# Altium PCB amp.PcbDoc (part 7 of 20)
Units mm, origin at the board's own origin, x right, y up, seen from the top; angles counter-clockwise.
Board outline 210 x 210 mm, 2 copper layers (Top Layer, Bottom Layer); 742 components, 1354 nets, 6402 pads, 5154 vias.
Unrouted connection lines stored in the file: 702.
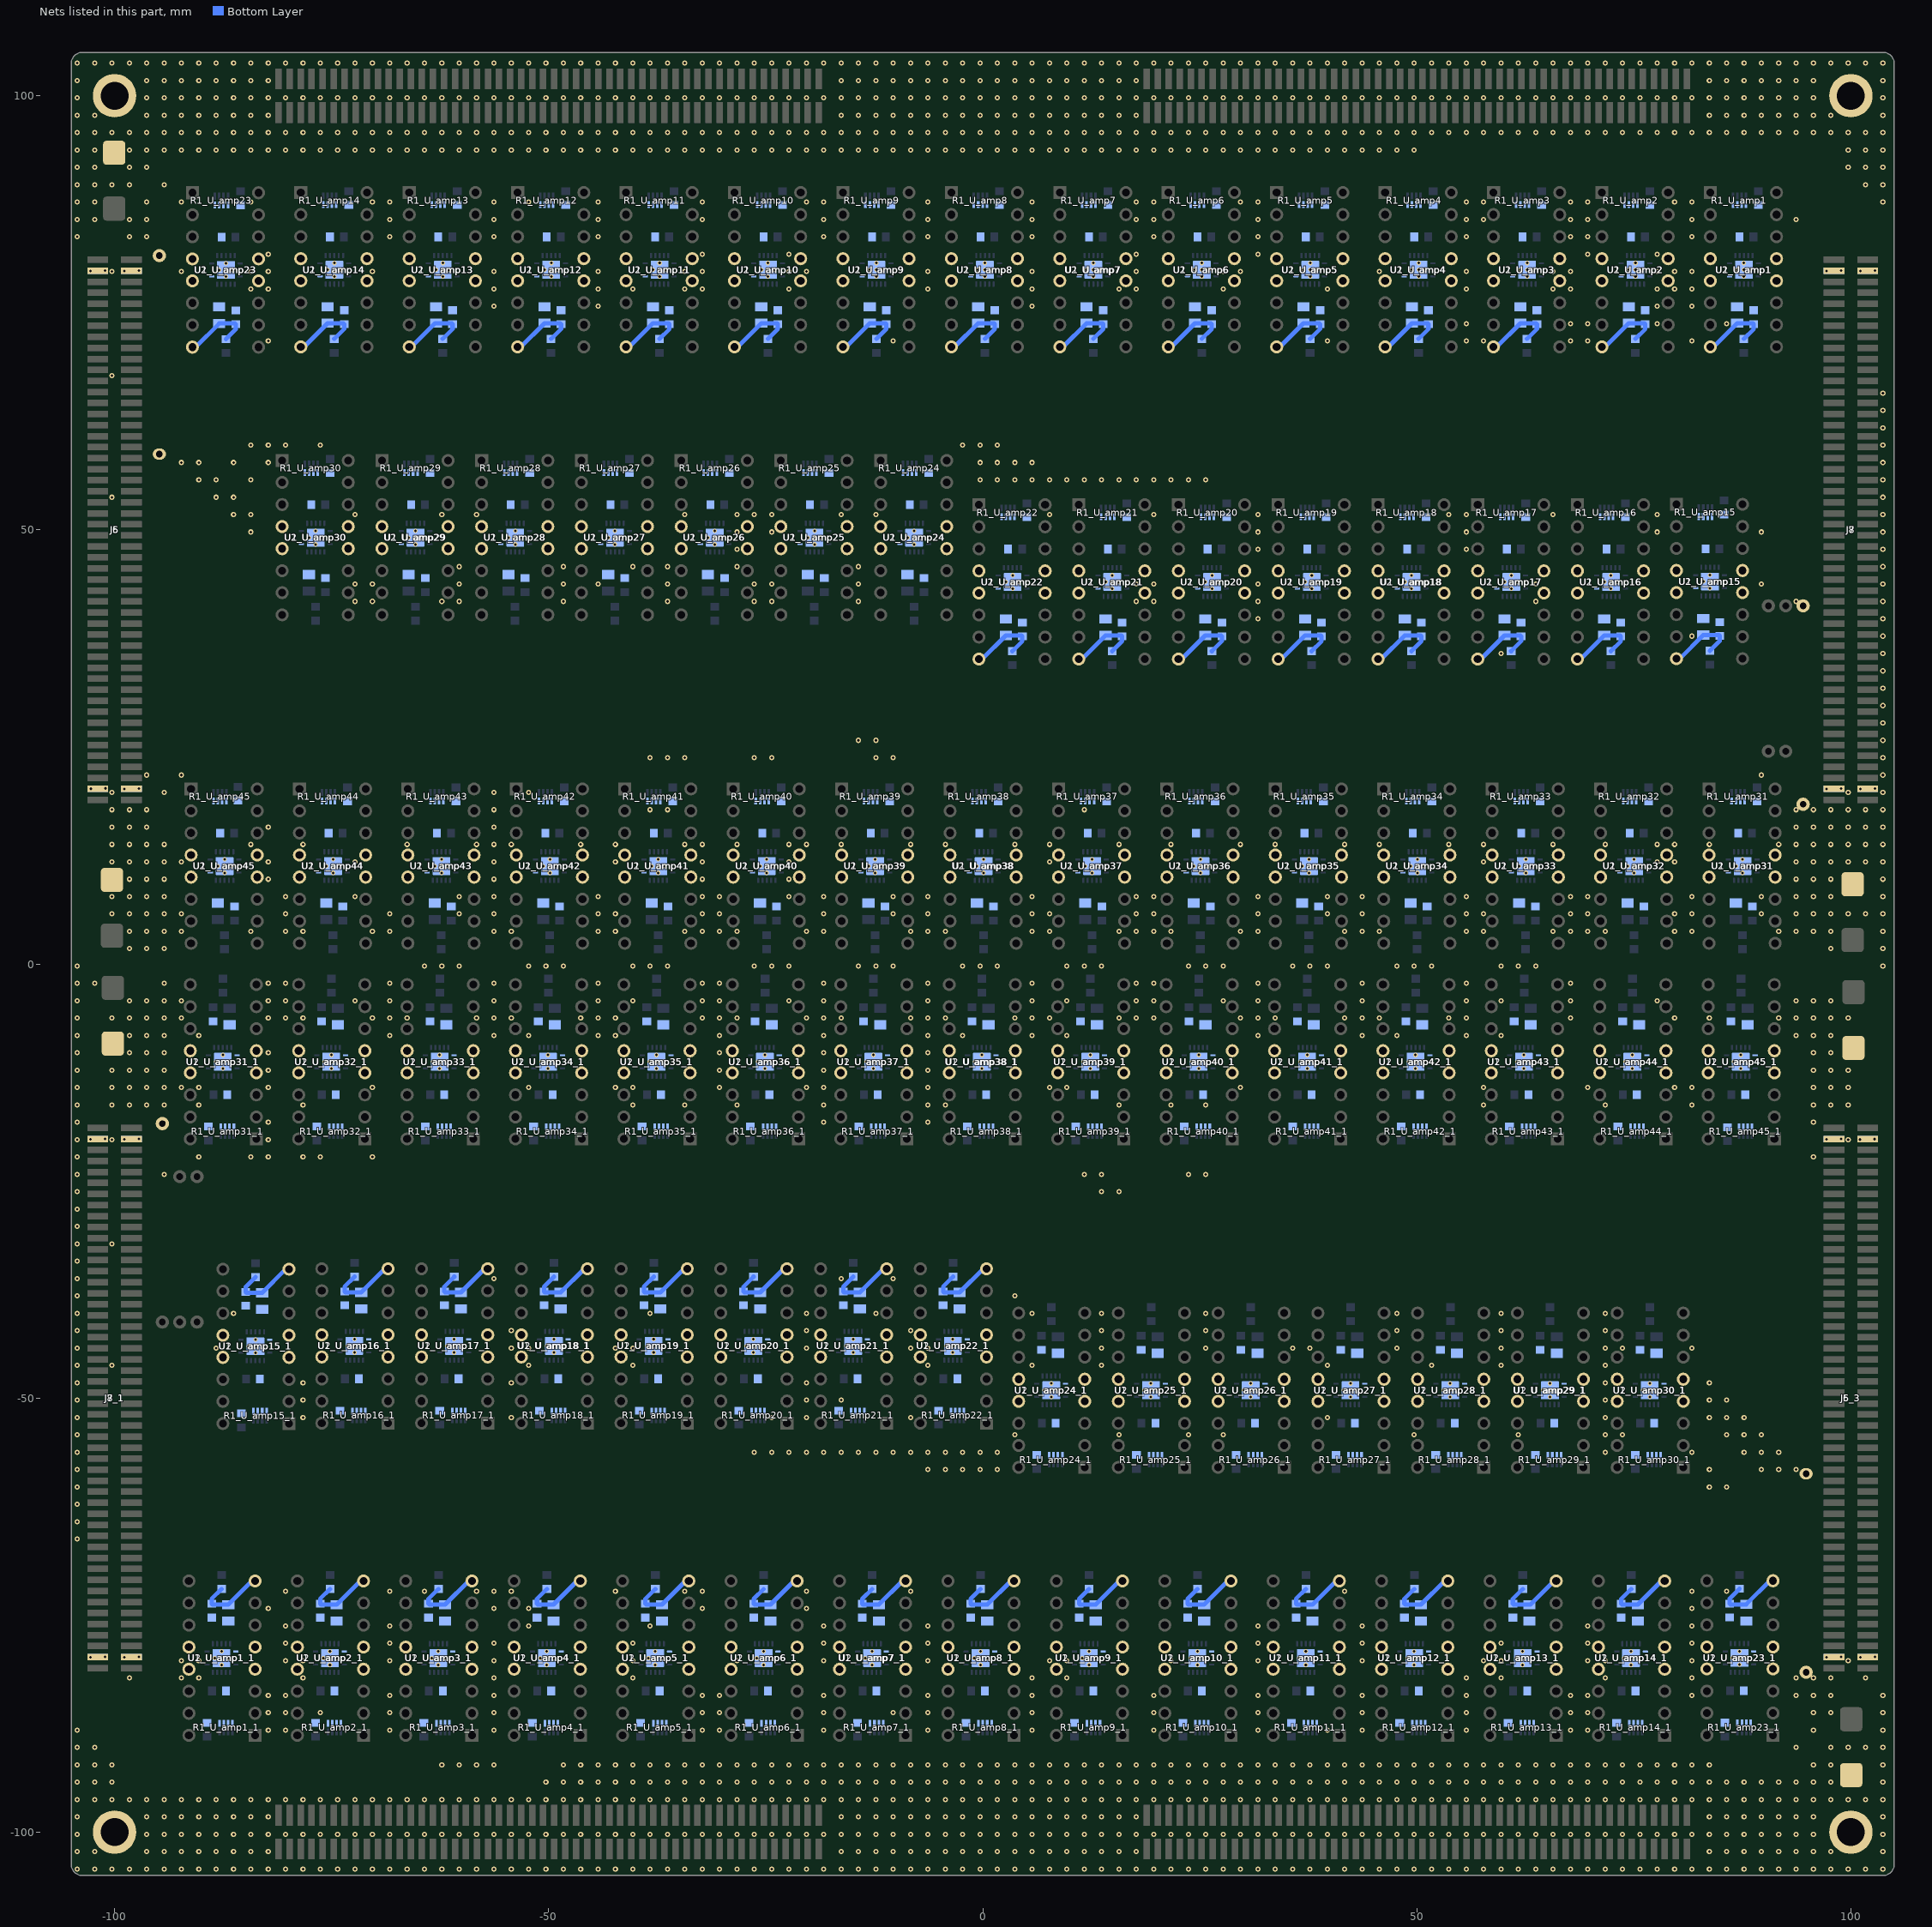
[diagram p7: the nets of this part, all layers, seen from the top]

## Via types
v1: diameter 0.6, hole 0.3, Top Layer to Bottom Layer, tented both sides, 4704 vias
v2: diameter 0.5, hole 0.3, Top Layer to Bottom Layer, 450 vias

## Nets (pads, with @x,y where several pads share a name; then routed paths per layer and width w, separated by ;. In a path a pad name is that pad's centre, name@x,y a point inside that pad or via, vN(x,y) a via of type N, cw(c..) or ccw(c..) an arc to the next point about the centre after c; other vN are vias at no path point) (continued)
GND: (continued)
  other v1: -104.306,-104.242 -102.306,-104.242 -100.306,-104.242 -98.306,-104.242 -96.306,-104.242 -94.306,-104.242 -92.306,-104.242 -90.306,-104.242 -88.306,-104.242 -86.306,-104.242 -84.306,-104.242 -82.306,-104.242 -80.306,-104.242 -78.306,-104.242 -76.306,-104.242 -74.306,-104.242 -72.306,-104.242 -70.306,-104.242 -68.306,-104.242 -66.306,-104.242 -64.306,-104.242 -62.306,-104.242 -60.306,-104.242 -58.306,-104.242 -56.306,-104.242 -54.306,-104.242 -52.306,-104.242 -50.306,-104.242 -48.306,-104.242 -46.306,-104.242 -44.306,-104.242 -42.306,-104.242 -40.306,-104.242 -38.306,-104.242 -36.306,-104.242 -34.306,-104.242 -32.306,-104.242 -30.306,-104.242 -28.306,-104.242 -26.306,-104.242 -24.306,-104.242 -22.306,-104.242 -20.306,-104.242 -18.306,-104.242 -16.306,-104.242 -14.306,-104.242 -12.306,-104.242 -10.306,-104.242 -8.306,-104.242 -6.306,-104.242 -4.306,-104.242 -2.306,-104.242 -0.306,-104.242 1.694,-104.242 3.694,-104.242 5.694,-104.242 7.694,-104.242 9.694,-104.242 11.694,-104.242 13.694,-104.242 15.694,-104.242 17.694,-104.242 19.694,-104.242 21.694,-104.242 23.694,-104.242 25.694,-104.242 27.694,-104.242 29.694,-104.242 31.694,-104.242 33.694,-104.242 35.694,-104.242 37.694,-104.242 39.694,-104.242 41.694,-104.242 43.694,-104.242 45.694,-104.242 47.694,-104.242 49.694,-104.242 51.694,-104.242 53.694,-104.242 55.694,-104.242 57.694,-104.242 59.694,-104.242 61.694,-104.242 63.694,-104.242 65.694,-104.242 67.694,-104.242 69.694,-104.242 71.694,-104.242 73.694,-104.242 75.694,-104.242 77.694,-104.242 79.694,-104.242 81.694,-104.242 83.694,-104.242 85.694,-104.242 87.694,-104.242 89.694,-104.242 91.694,-104.242 93.694,-104.242 95.694,-104.242 97.694,-104.242 99.694,-104.242 101.694,-104.242 103.694,-104.242 -104.306,-102.242 -102.306,-102.242 -96.306,-102.242 -94.306,-102.242 -92.306,-102.242 -90.306,-102.242 -88.306,-102.242 -86.306,-102.242 -84.306,-102.242 -82.306,-102.242 -16.306,-102.242 -14.306,-102.242 -12.306,-102.242 -10.306,-102.242 -8.306,-102.242 -6.306,-102.242 -4.306,-102.242 -2.306,-102.242 -0.306,-102.242 1.694,-102.242 3.694,-102.242 5.694,-102.242 7.694,-102.242 9.694,-102.242 11.694,-102.242 13.694,-102.242 15.694,-102.242 17.694,-102.242 83.694,-102.242 85.694,-102.242 87.694,-102.242 89.694,-102.242 91.694,-102.242 93.694,-102.242 95.694,-102.242 97.694,-102.242 103.694,-102.242 -104.306,-100.242 -96.306,-100.242 -94.306,-100.242 -92.306,-100.242 -90.306,-100.242 -88.306,-100.242 -86.306,-100.242 -84.306,-100.242 -82.306,-100.242 -80.306,-100.242 -78.306,-100.242 -76.306,-100.242 -74.306,-100.242 -72.306,-100.242 -70.306,-100.242 -68.306,-100.242 -66.306,-100.242 -64.306,-100.242 -62.306,-100.242 -60.306,-100.242 -58.306,-100.242 -56.306,-100.242 -54.306,-100.242 -52.306,-100.242 -50.306,-100.242 -48.306,-100.242 -46.306,-100.242 -44.306,-100.242 -42.306,-100.242 -40.306,-100.242 -38.306,-100.242 -36.306,-100.242 -34.306,-100.242 -32.306,-100.242 -30.306,-100.242 -28.306,-100.242 -26.306,-100.242 -24.306,-100.242 -22.306,-100.242 -20.306,-100.242 -18.306,-100.242 -16.306,-100.242 -14.306,-100.242 -12.306,-100.242 -10.306,-100.242 -8.306,-100.242 -6.306,-100.242 -4.306,-100.242 -2.306,-100.242 -0.306,-100.242 1.694,-100.242 3.694,-100.242 5.694,-100.242 7.694,-100.242 9.694,-100.242 11.694,-100.242 13.694,-100.242 15.694,-100.242 17.694,-100.242 19.694,-100.242 21.694,-100.242 23.694,-100.242 25.694,-100.242 27.694,-100.242 29.694,-100.242 31.694,-100.242 33.694,-100.242 35.694,-100.242 37.694,-100.242 39.694,-100.242 41.694,-100.242 43.694,-100.242 45.694,-100.242 47.694,-100.242 49.694,-100.242 51.694,-100.242 53.694,-100.242 55.694,-100.242 57.694,-100.242 59.694,-100.242 61.694,-100.242 63.694,-100.242 65.694,-100.242 67.694,-100.242 69.694,-100.242 71.694,-100.242 73.694,-100.242 75.694,-100.242 77.694,-100.242 79.694,-100.242 81.694,-100.242 83.694,-100.242 85.694,-100.242 87.694,-100.242 89.694,-100.242 91.694,-100.242 93.694,-100.242 95.694,-100.242 103.694,-100.242 -104.306,-98.242 -96.306,-98.242 -94.306,-98.242 -92.306,-98.242 -90.306,-98.242 -88.306,-98.242 -86.306,-98.242 -84.306,-98.242 -82.306,-98.242 -16.306,-98.242 -14.306,-98.242 -12.306,-98.242 -10.306,-98.242 -8.306,-98.242 -6.306,-98.242 -4.306,-98.242 -2.306,-98.242 -0.306,-98.242 1.694,-98.242 3.694,-98.242 5.694,-98.242 7.694,-98.242 9.694,-98.242 11.694,-98.242 13.694,-98.242 15.694,-98.242 17.694,-98.242 83.694,-98.242 85.694,-98.242 87.694,-98.242 89.694,-98.242 91.694,-98.242 93.694,-98.242 95.694,-98.242 103.694,-98.242 -104.306,-96.242 -102.306,-96.242 -100.306,-96.242 -98.306,-96.242 -96.306,-96.242 -94.306,-96.242 -92.306,-96.242 -90.306,-96.242 -88.306,-96.242 -86.306,-96.242 -84.306,-96.242 -82.306,-96.242 -80.306,-96.242 -78.306,-96.242 -76.306,-96.242 -74.306,-96.242 -72.306,-96.242 -70.306,-96.242 -68.306,-96.242 -66.306,-96.242 -64.306,-96.242 -62.306,-96.242 -60.306,-96.242 -58.306,-96.242 -56.306,-96.242 -54.306,-96.242 -52.306,-96.242 -50.306,-96.242 -48.306,-96.242 -46.306,-96.242 -44.306,-96.242 -42.306,-96.242 -40.306,-96.242 -38.306,-96.242 -36.306,-96.242 -34.306,-96.242 -32.306,-96.242 -30.306,-96.242 -28.306,-96.242 -26.306,-96.242 -24.306,-96.242 -22.306,-96.242 -20.306,-96.242 -18.306,-96.242 -16.306,-96.242 -14.306,-96.242 -12.306,-96.242 -10.306,-96.242 -8.306,-96.242 -6.306,-96.242 -4.306,-96.242 -2.306,-96.242 -0.306,-96.242 1.694,-96.242 3.694,-96.242 5.694,-96.242 7.694,-96.242 9.694,-96.242 11.694,-96.242 13.694,-96.242 15.694,-96.242 17.694,-96.242 19.694,-96.242 21.694,-96.242 23.694,-96.242 25.694,-96.242 27.694,-96.242 29.694,-96.242 31.694,-96.242 33.694,-96.242 35.694,-96.242 37.694,-96.242 39.694,-96.242 41.694,-96.242 43.694,-96.242 45.694,-96.242 47.694,-96.242 49.694,-96.242 51.694,-96.242 53.694,-96.242 55.694,-96.242 57.694,-96.242 59.694,-96.242 61.694,-96.242 63.694,-96.242 65.694,-96.242 67.694,-96.242 69.694,-96.242 71.694,-96.242 73.694,-96.242 75.694,-96.242 77.694,-96.242 79.694,-96.242 81.694,-96.242 83.694,-96.242 85.694,-96.242 87.694,-96.242 89.694,-96.242 91.694,-96.242 93.694,-96.242 95.694,-96.242 97.694,-96.242 99.694,-96.242 101.694,-96.242 103.694,-96.242 -104.306,-94.242 -102.306,-94.242 -100.306,-94.242 -50.306,-94.242 -48.306,-94.242 -46.306,-94.242 -44.306,-94.242 -42.306,-94.242 -40.306,-94.242 -38.306,-94.242 -36.306,-94.242 -34.306,-94.242 -32.306,-94.242 -30.306,-94.242 -28.306,-94.242 -26.306,-94.242 -24.306,-94.242 -22.306,-94.242 -20.306,-94.242 -18.306,-94.242 -16.306,-94.242 -14.306,-94.242 -12.306,-94.242 -10.306,-94.242 -8.306,-94.242 -6.306,-94.242 -4.306,-94.242 -2.306,-94.242 -0.306,-94.242 1.694,-94.242 3.694,-94.242 5.694,-94.242 7.694,-94.242 9.694,-94.242 11.694,-94.242 13.694,-94.242 15.694,-94.242 17.694,-94.242 19.694,-94.242 21.694,-94.242 23.694,-94.242 25.694,-94.242 27.694,-94.242 29.694,-94.242 31.694,-94.242 33.694,-94.242 35.694,-94.242 37.694,-94.242 39.694,-94.242 41.694,-94.242 43.694,-94.242 45.694,-94.242 47.694,-94.242 49.694,-94.242 51.694,-94.242 53.694,-94.242 55.694,-94.242 57.694,-94.242 59.694,-94.242 61.694,-94.242 63.694,-94.242 65.694,-94.242 67.694,-94.242 69.694,-94.242 71.694,-94.242 73.694,-94.242 75.694,-94.242 77.694,-94.242 79.694,-94.242 81.694,-94.242 83.694,-94.242 85.694,-94.242 87.694,-94.242 89.694,-94.242 91.694,-94.242 93.694,-94.242 95.694,-94.242 97.694,-94.242 103.694,-94.242 -104.306,-92.242 -102.306,-92.242 -100.306,-92.242 -62.306,-92.242 -60.306,-92.242 -58.306,-92.242 -56.306,-92.242 -48.306,-92.242 -46.306,-92.242 -44.306,-92.242 -42.306,-92.242 -40.306,-92.242 -38.306,-92.242 -36.306,-92.242 -34.306,-92.242 -32.306,-92.242 -30.306,-92.242 -28.306,-92.242 -26.306,-92.242 -24.306,-92.242 -22.306,-92.242 -20.306,-92.242 -18.306,-92.242 -16.306,-92.242 -14.306,-92.242 -12.306,-92.242 -10.306,-92.242 -8.306,-92.242 -6.306,-92.242 -4.306,-92.242 -2.306,-92.242 -0.306,-92.242 1.694,-92.242 3.694,-92.242 5.694,-92.242 7.694,-92.242 9.694,-92.242 11.694,-92.242 13.694,-92.242 15.694,-92.242 17.694,-92.242 19.694,-92.242 21.694,-92.242 23.694,-92.242 25.694,-92.242 27.694,-92.242 29.694,-92.242 31.694,-92.242 33.694,-92.242 35.694,-92.242 37.694,-92.242 39.694,-92.242 41.694,-92.242 43.694,-92.242 45.694,-92.242 47.694,-92.242 49.694,-92.242 51.694,-92.242 53.694,-92.242 55.694,-92.242 57.694,-92.242 59.694,-92.242 61.694,-92.242 63.694,-92.242 65.694,-92.242 67.694,-92.242 69.694,-92.242 71.694,-92.242 73.694,-92.242 75.694,-92.242 77.694,-92.242 79.694,-92.242 81.694,-92.242 83.694,-92.242 95.694,-92.242 97.694,-92.242 103.694,-92.242 -104.306,-90.242 -102.306,-90.242 93.694,-90.242 97.694,-90.242 99.694,-90.242 101.694,-90.242 103.694,-90.242 -104.306,-88.242 -82.306,-88.242 -80.306,-88.242 -68.306,-88.242 -56.306,-88.242 -32.306,-88.242 -30.306,-88.242 -18.306,-88.242 -6.306,-88.242 5.694,-88.242 19.694,-88.242 31.694,-88.242 39.694,-88.242 43.694,-88.242 55.694,-88.242 67.694,-88.242 69.694,-88.242 95.694,-88.242 103.694,-88.242 -82.306,-86.242 -80.306,-86.242 -76.306,-86.242 -68.306,-86.242 -56.306,-86.242 -32.306,-86.242 -30.306,-86.242 -18.306,-86.242 -10.306,-86.242 -6.306,-86.242 5.694,-86.242 19.694,-86.242 31.694,-86.242 43.694,-86.242 55.694,-86.242 67.694,-86.242 69.694,-86.242 95.694,-86.242 97.694,-86.242 103.694,-86.242 -82.306,-84.242 -80.306,-84.242 -68.306,-84.242 -56.306,-84.242 -32.306,-84.242 -30.306,-84.242 -18.306,-84.242 -6.306,-84.242 5.694,-84.242 19.694,-84.242 31.694,-84.242 43.694,-84.242 55.694,-84.242 67.694,-84.242 69.694,-84.242 81.694,-84.242 93.694,-84.242 95.694,-84.242 97.694,-84.242 103.694,-84.242 -98.306,-82.242 -92.306,-82.242 -90.306,-82.242 -78.306,-82.242 -56.306,-82.242 -40.306,-82.242 5.694,-82.242 9.694,-82.242 55.694,-82.242 59.694,-82.242 71.694,-82.242 81.694,-82.242 93.694,-82.242 95.694,-82.242 97.694,-82.242 101.694,-82.242 -92.306,-80.242 -90.306,-80.242 -80.306,-80.242 -78.306,-80.242 -68.306,-80.242 -56.306,-80.242 -40.306,-80.242 -28.306,-80.242 -18.306,-80.242 -6.306,-80.242 7.694,-80.242 9.694,-80.242 21.694,-80.242 31.694,-80.242 43.694,-80.242 57.694,-80.242 59.694,-80.242 69.694,-80.242 71.694,-80.242 81.694,-80.242 99.694,-80.242 -102.8,-79.87 -98.9,-79.87 97.2,-79.87 101.1,-79.87 -101.1,-79.82 -97.2,-79.82 98.9,-79.82 102.8,-79.82 -80.306,-78.242 -68.306,-78.242 -56.306,-78.242 -40.306,-78.242 -18.306,-78.242 -6.306,-78.242 31.694,-78.242 43.694,-78.242 59.694,-78.242 69.694,-78.242 81.694,-78.242 -80.306,-76.242 -68.306,-76.242 -52.306,-76.242 -38.306,-76.242 -18.306,-76.242 -6.306,-76.242 31.694,-76.242 43.694,-76.242 69.694,-76.242 81.694,-76.242 -82.306,-74.242 -56.306,-74.242 -52.306,-74.242 -32.306,-74.242 -20.306,-74.242 81.694,-74.242 -80.306,-72.242 -68.306,-72.242 -64.306,-72.242 -58.306,-72.242 -56.306,-72.242 -54.306,-72.242 -42.306,-72.242 -34.306,-72.242 -32.306,-72.242 -20.306,-72.242 -8.306,-72.242 41.694,-72.242 81.694,-72.242 85.694,-72.242 -104.306,-66.242 -104.306,-64.242 -104.306,-62.242 -104.306,-60.242 83.694,-60.242 85.694,-60.242 -104.306,-58.242 -6.306,-58.242 -4.306,-58.242 -2.306,-58.242 -0.306,-58.242 1.694,-58.242 83.694,-58.242 89.694,-58.242 91.694,-58.242 93.694,-58.242 -104.306,-56.242 -26.306,-56.242 -24.306,-56.242 -22.306,-56.242 -20.306,-56.242 -18.306,-56.242 -16.306,-56.242 -14.306,-56.242 -12.306,-56.242 -10.306,-56.242 -8.306,-56.242 -6.306,-56.242 -4.306,-56.242 -2.306,-56.242 -0.306,-56.242 1.694,-56.242 71.694,-56.242 81.694,-56.242 87.694,-56.242 89.694,-56.242 91.694,-56.242 -104.306,-54.242 3.694,-54.242 15.694,-54.242 23.694,-54.242 27.694,-54.242 49.694,-54.242 61.694,-54.242 71.694,-54.242 73.694,-54.242 85.694,-54.242 87.694,-54.242 89.694,-54.242 -104.306,-52.242 -78.306,-52.242 -54.306,-52.242 -24.306,-52.242 -20.306,-52.242 -8.306,-52.242 39.694,-52.242 71.694,-52.242 83.694,-52.242 85.694,-52.242 87.694,-52.242 -104.306,-50.242 -78.306,-50.242 -20.306,-50.242 -16.306,-50.242 71.694,-50.242 83.694,-50.242 85.694,-50.242 -104.306,-48.242 -78.306,-48.242 -54.306,-48.242 -20.306,-48.242 71.694,-48.242 83.694,-48.242 -104.306,-46.242 -100.306,-46.242 -52.306,-46.242 -40.306,-46.242 -6.306,-46.242 5.694,-46.242 13.694,-46.242 39.694,-46.242 51.694,-46.242 59.694,-46.242 71.694,-46.242 -104.306,-44.242 -88.306,-44.242 -54.306,-44.242 -52.306,-44.242 -42.306,-44.242 -40.306,-44.242 -20.306,-44.242 -8.306,-44.242 -6.306,-44.242 13.694,-44.242 25.694,-44.242 35.694,-44.242 37.694,-44.242 47.694,-44.242 59.694,-44.242 71.694,-44.242 73.694,-44.242 81.694,-44.242 -104.306,-42.242 -54.306,-42.242 -20.306,-42.242 -8.306,-42.242 13.694,-42.242 25.694,-42.242 47.694,-42.242 59.694,-42.242 71.694,-42.242 -104.306,-40.242 -86.306,-40.242 -38.306,-40.242 -20.306,-40.242 -12.306,-40.242 5.694,-40.242 13.694,-40.242 25.694,-40.242 47.694,-40.242 59.694,-40.242 71.694,-40.242 -104.306,-38.242 3.694,-38.242 -104.306,-36.242 -56.306,-36.242 -16.306,-36.242 -10.306,-36.242 -104.306,-34.242 -104.306,-32.242 -100.306,-32.242 -104.306,-30.242 -104.306,-28.242 -104.306,-26.242 13.694,-26.242 15.694,-26.242 -104.306,-24.242 -94.306,-24.242 11.694,-24.242 13.694,-24.242 23.694,-24.242 25.694,-24.242 -104.306,-22.242 -90.306,-22.242 -84.306,-22.242 -82.306,-22.242 -78.306,-22.242 -76.306,-22.242 -70.306,-22.242 95.694,-22.242 -104.306,-20.242 -100.306,-20.242 -82.306,-20.242 99.694,-20.242 101.05,-20.225 -102.8,-20.18 -98.9,-20.18 97.2,-20.18 102.75,-20.175 -101.1,-20.13 -97.2,-20.13 98.9,-20.13 -104.306,-18.242 -94.306,-18.242 -82.306,-18.242 -18.306,-18.242 -6.306,-18.242 95.694,-18.242 -104.306,-16.242 -100.306,-16.242 -98.306,-16.242 -96.306,-16.242 -94.306,-16.242 -90.306,-16.242 -78.306,-16.242 -40.306,-16.242 -34.306,-16.242 -28.306,-16.242 -18.306,-16.242 -6.306,-16.242 -4.306,-16.242 15.694,-16.242 21.694,-16.242 25.694,-16.242 57.694,-16.242 71.694,-16.242 81.694,-16.242 95.694,-16.242 97.694,-16.242 99.694,-16.242 -104.306,-14.242 -100.306,-14.242 -98.306,-14.242 -96.306,-14.242 -94.306,-14.242 -92.306,-14.242 -90.306,-14.242 -82.306,-14.242 -70.306,-14.242 -52.306,-14.242 -42.306,-14.242 -40.306,-14.242 -30.306,-14.242 -20.306,-14.242 -18.306,-14.242 -6.306,-14.242 7.694,-14.242 9.694,-14.242 29.694,-14.242 57.694,-14.242 69.694,-14.242 79.694,-14.242 81.694,-14.242 95.694,-14.242 97.694,-14.242 99.694,-14.242 -104.306,-12.242 -100.306,-12.242 -98.306,-12.242 -96.306,-12.242 -94.306,-12.242 -82.306,-12.242 -30.306,-12.242 -18.306,-12.242 -6.306,-12.242 95.694,-12.242 97.694,-12.242 99.694,-12.242 -104.306,-10.242 -98.306,-10.242 -96.306,-10.242 -94.306,-10.242 -82.306,-10.242 -30.306,-10.242 -18.306,-10.242 -6.306,-10.242 95.694,-10.242 97.694,-10.242 -104.306,-8.242 -98.306,-8.242 -96.306,-8.242 -94.306,-8.242 -90.306,-8.242 -68.306,-8.242 -56.306,-8.242 -52.306,-8.242 -44.306,-8.242 -42.306,-8.242 -30.306,-8.242 -18.306,-8.242 -6.306,-8.242 -2.306,-8.242 5.694,-8.242 9.694,-8.242 31.694,-8.242 43.694,-8.242 47.694,-8.242 55.694,-8.242 59.694,-8.242 93.694,-8.242 95.694,-8.242 97.694,-8.242 -104.306,-6.242 -100.306,-6.242 -98.306,-6.242 -96.306,-6.242 -94.306,-6.242 -92.306,-6.242 -82.306,-6.242 -80.306,-6.242 -78.306,-6.242 -70.306,-6.242 -68.306,-6.242 -66.306,-6.242 -58.306,-6.242 -56.306,-6.242 -54.306,-6.242 -46.306,-6.242 -44.306,-6.242 -42.306,-6.242 -32.306,-6.242 -30.306,-6.242 -28.306,-6.242 -20.306,-6.242 -18.306,-6.242 -16.306,-6.242 -8.306,-6.242 -6.306,-6.242 -4.306,-6.242 3.694,-6.242 5.694,-6.242 7.694,-6.242 15.694,-6.242 17.694,-6.242 19.694,-6.242 29.694,-6.242 31.694,-6.242 33.694,-6.242 41.694,-6.242 43.694,-6.242 45.694,-6.242 53.694,-6.242 55.694,-6.242 67.694,-6.242 79.694,-6.242 83.694,-6.242 91.694,-6.242 93.694,-6.242 95.694,-6.242 97.694,-6.242 99.694,-6.242 -104.306,-4.242 -98.306,-4.242 -96.306,-4.242 -94.306,-4.242 -92.306,-4.242 -82.306,-4.242 -80.306,-4.242 -72.306,-4.242 -68.306,-4.242 -56.306,-4.242 -44.306,-4.242 -40.306,-4.242 -32.306,-4.242 -30.306,-4.242 -22.306,-4.242 -18.306,-4.242 -6.306,-4.242 5.694,-4.242 9.694,-4.242 17.694,-4.242 19.694,-4.242 27.694,-4.242 31.694,-4.242 43.694,-4.242 55.694,-4.242 59.694,-4.242 67.694,-4.242 77.694,-4.242 93.694,-4.242 95.694,-4.242 97.694,-4.242 -104.306,-2.242 -102.306,-2.242 -94.306,-2.242 -82.306,-2.242 -80.306,-2.242 -68.306,-2.242 -56.306,-2.242 -44.306,-2.242 -32.306,-2.242 -30.306,-2.242 -18.306,-2.242 -6.306,-2.242 5.694,-2.242 17.694,-2.242 19.694,-2.242 31.694,-2.242 43.694,-2.242 55.694,-2.242 67.694,-2.242 -104.306,-0.242 -64.306,-0.242 -62.306,-0.242 -60.306,-0.242 -52.306,-0.242 -50.306,-0.242 -48.306,-0.242 -40.306,-0.242 -38.306,-0.242 -36.306,-0.242 -26.306,-0.242 -24.306,-0.242 -22.306,-0.242 -14.306,-0.242 -12.306,-0.242 -10.306,-0.242 -2.306,-0.242 -0.306,-0.242 1.694,-0.242 9.694,-0.242 11.694,-0.242 13.694,-0.242 23.694,-0.242 25.694,-0.242 27.694,-0.242 35.694,-0.242 37.694,-0.242 39.694,-0.242 47.694,-0.242 49.694,-0.242 51.694,-0.242 59.694,-0.242 61.694,-0.242 63.694,-0.242 103.694,-0.242 -98.306,1.758 -96.306,1.758 -94.306,1.758 97.694,1.758 103.694,1.758 -98.306,3.758 -96.306,3.758 -94.306,3.758 -92.306,3.758 -84.306,3.758 -80.306,3.758 -78.306,3.758 -70.306,3.758 -68.306,3.758 -56.306,3.758 -54.306,3.758 -44.306,3.758 -42.306,3.758 -34.306,3.758 -32.306,3.758 -30.306,3.758 -28.306,3.758 -20.306,3.758 -18.306,3.758 -8.306,3.758 -6.306,3.758 -4.306,3.758 5.694,3.758 7.694,3.758 15.694,3.758 17.694,3.758 19.694,3.758 21.694,3.758 29.694,3.758 31.694,3.758 41.694,3.758 43.694,3.758 45.694,3.758 55.694,3.758 57.694,3.758 65.694,3.758 67.694,3.758 69.694,3.758 71.694,3.758 79.694,3.758 81.694,3.758 91.694,3.758 93.694,3.758 95.694,3.758 97.694,3.758 103.694,3.758 -100.306,5.758 -98.306,5.758 -96.306,5.758 -94.306,5.758 -92.306,5.758 -80.306,5.758 -68.306,5.758 -60.306,5.758 -56.306,5.758 -44.306,5.758 -42.306,5.758 -32.306,5.758 -30.306,5.758 -18.306,5.758 -10.306,5.758 -6.306,5.758 5.694,5.758 7.694,5.758 17.694,5.758 19.694,5.758 31.694,5.758 39.694,5.758 43.694,5.758 55.694,5.758 57.694,5.758 67.694,5.758 69.694,5.758 79.694,5.758 81.694,5.758 89.694,5.758 93.694,5.758 95.694,5.758 97.694,5.758 99.694,5.758 101.694,5.758 103.694,5.758 -100.306,7.758 -98.306,7.758 -96.306,7.758 -94.306,7.758 -80.306,7.758 -72.306,7.758 -60.306,7.758 -56.306,7.758 -44.306,7.758 -32.306,7.758 -30.306,7.758 -22.306,7.758 -18.306,7.758 -10.306,7.758 -6.306,7.758 5.694,7.758 17.694,7.758 19.694,7.758 31.694,7.758 39.694,7.758 43.694,7.758 55.694,7.758 67.694,7.758 69.694,7.758 81.694,7.758 89.694,7.758 93.694,7.758 95.694,7.758 97.694,7.758 103.694,7.758 -98.306,9.758 -96.306,9.758 -94.306,9.758 -82.306,9.758 -56.306,9.758 -32.306,9.758 -22.306,9.758 93.694,9.758 95.694,9.758 97.694,9.758 103.694,9.758 -100.306,11.758 -98.306,11.758 -96.306,11.758 -94.306,11.758 -92.306,11.758 -82.306,11.758 -72.306,11.758 -56.306,11.758 -42.306,11.758 -32.306,11.758 -22.306,11.758 7.694,11.758 57.694,11.758 77.694,11.758 79.694,11.758 93.694,11.758 95.694,11.758 97.694,11.758 99.694,11.758 101.694,11.758 103.694,11.758 -100.306,13.758 -98.306,13.758 -96.306,13.758 -94.306,13.758 -84.306,13.758 -78.306,13.758 -66.306,13.758 -58.306,13.758 -56.306,13.758 -54.306,13.758 -46.306,13.758 -42.306,13.758 -34.306,13.758 -32.306,13.758 -28.306,13.758 -22.306,13.758 -20.306,13.758 -16.306,13.758 -8.306,13.758 -4.306,13.758 3.694,13.758 7.694,13.758 15.694,13.758 21.694,13.758 29.694,13.758 33.694,13.758 41.694,13.758 45.694,13.758 53.694,13.758 57.694,13.758 65.694,13.758 71.694,13.758 77.694,13.758 79.694,13.758 83.694,13.758 91.694,13.758 93.694,13.758 95.694,13.758 97.694,13.758 99.694,13.758 101.694,13.758 103.694,13.758 -100.306,15.758 -98.306,15.758 -96.306,15.758 -82.306,15.758 -56.306,15.758 93.694,15.758 95.694,15.758 97.694,15.758 99.694,15.758 101.694,15.758 103.694,15.758 -100.306,17.758 -98.306,17.758 -96.306,17.758 -56.306,17.758 -38.306,17.758 -36.306,17.758 11.694,17.758 93.694,17.758 95.694,17.758 97.694,17.758 99.694,17.758 101.694,17.758 103.694,17.758 -100.306,19.758 -94.306,19.758 -56.306,19.758 -52.306,19.758 99.694,19.758 103.694,19.758 -98.9,20.13 97.2,20.13 101.1,20.13 -102.75,20.175 -97.2,20.18 98.9,20.18 102.8,20.18 